# Altium PCB Test.PcbDoc (part 7 of 7)
Units mm, origin at the board's own origin, x right, y up, seen from the top; angles counter-clockwise.
Board outline 127 x 60.96 mm, 8 copper layers (TOP, LY2 - GND, LY3 - SIG, LY4 - GND, LY5 - SIG, LY6 - SIG, LY7 - GND, BOTTOM), stack 1.458 mm thick; 279 components, 237 nets, 1232 pads, 1515 vias.
Unrouted connection lines stored in the file: 100.
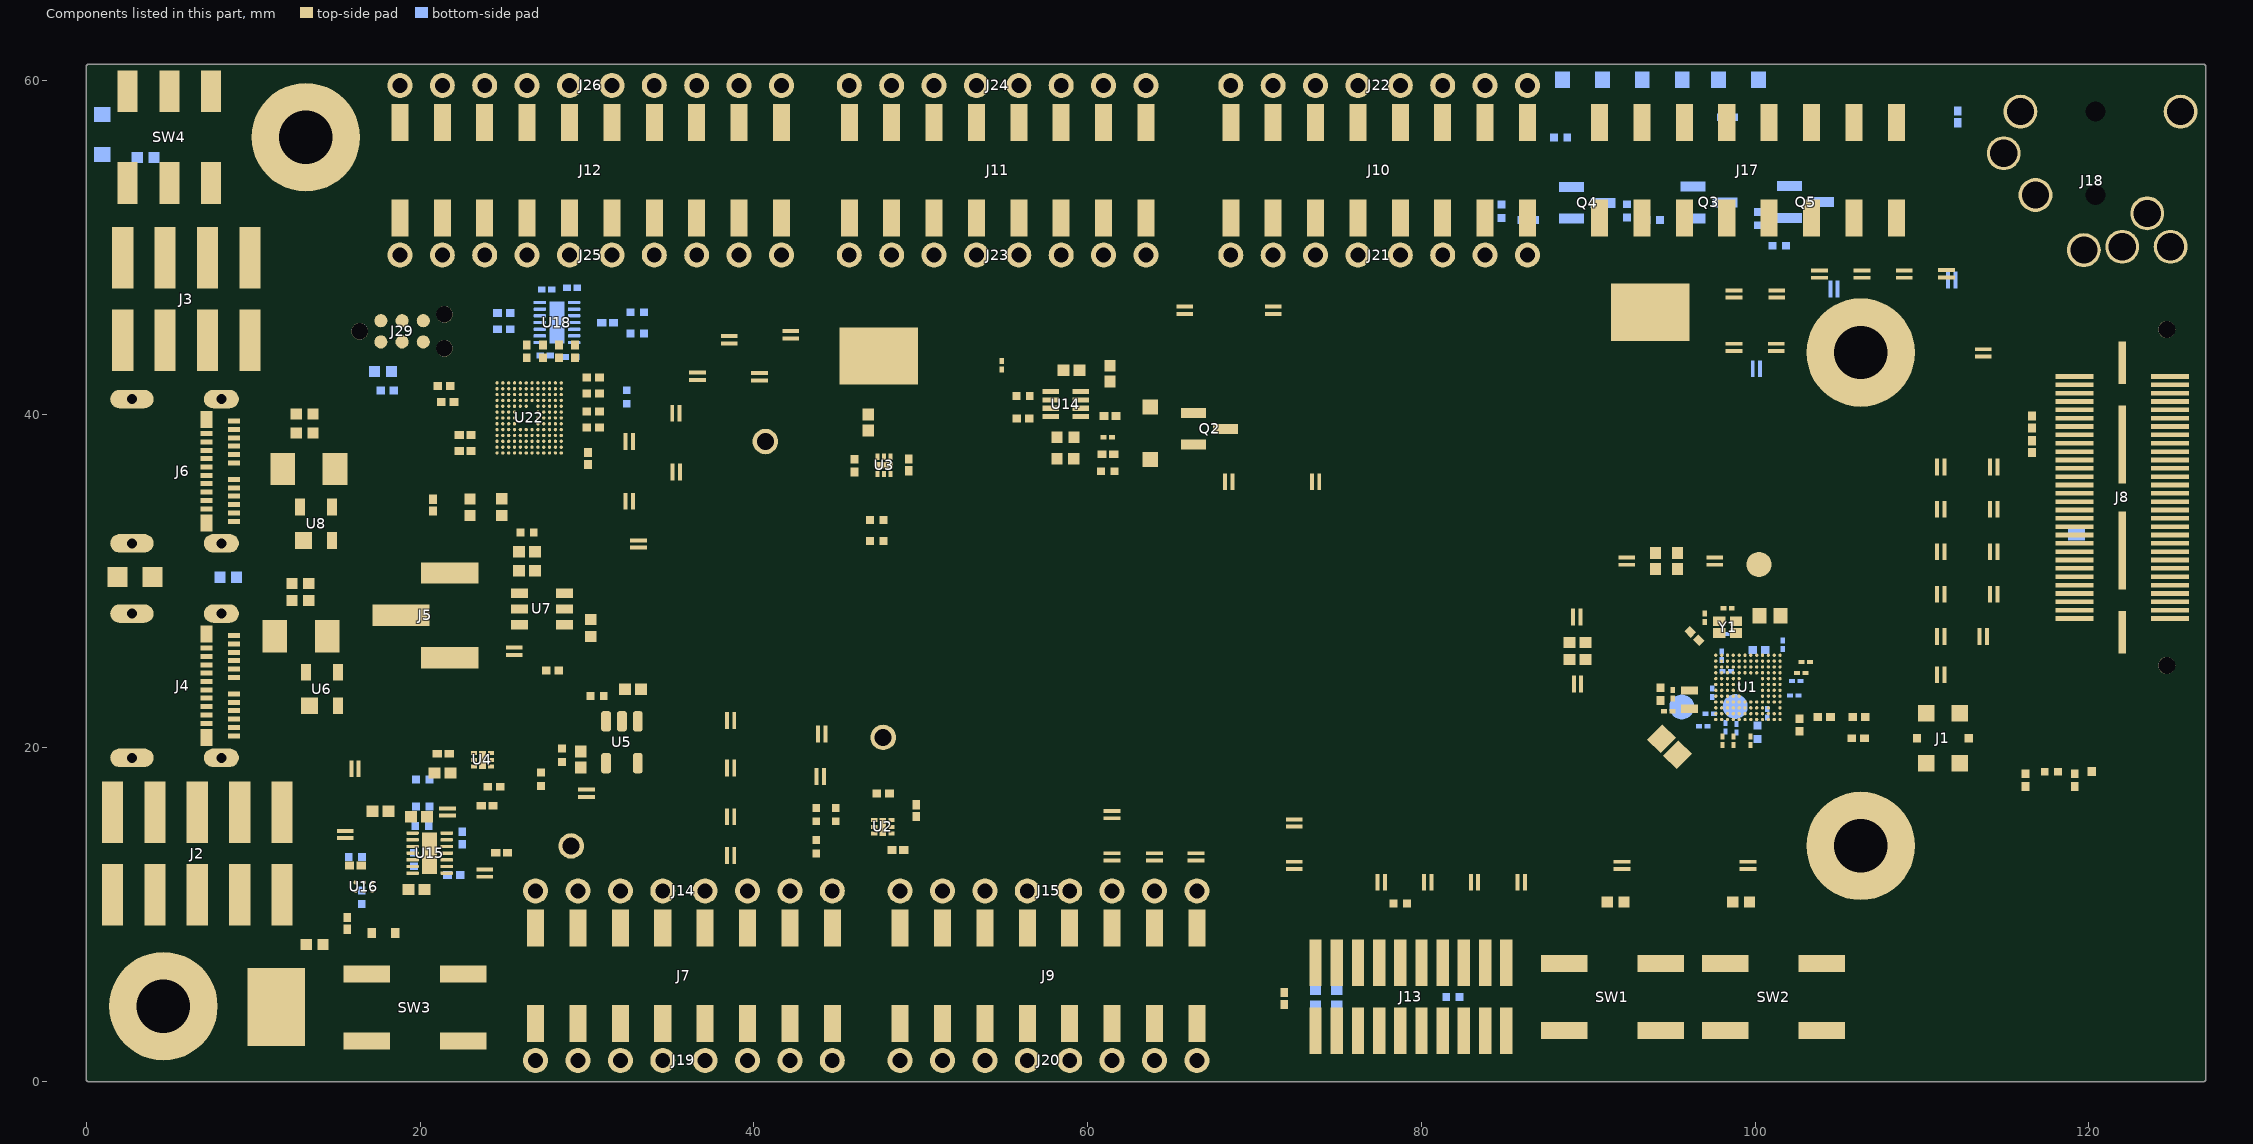
[diagram p13: the components of this part, seen from the top]

## Silkscreen, mask and mechanical layers (free items; w line width, h text height) (continued)
Drill Drawing:
  lines w0.025: -63.957,-153.619 -56.083,-153.619 ; -63.957,-50.47 -56.083,-50.47 ; -63.957,52.654 -56.083,52.654 ; 43.002,-264.617 43.002,-256.743 ; 43.002,155.804 43.002,163.652 ; 125.501,-264.617 125.501,-256.743 ; 125.501,155.804 125.501,163.652 ; 209.982,-264.617 209.982,-256.743 ; 209.982,155.804 209.982,163.652 ; 230.886,-197.358 302.819,-197.358 ; 230.886,-192.608 302.819,-192.608 ; 230.886,-187.833 302.819,-187.833 ; 230.886,-183.083 302.819,-183.083 ; 230.886,-178.308 302.819,-178.308 ; 230.886,-173.558 302.819,-173.558 ; 230.886,-168.783 302.819,-168.783 ; 230.886,-164.033 302.819,-164.033 ; 230.886,-159.258 302.819,-159.258 ; 233.756,-151.638 271.374,-151.638 ; 284.709,-202.133 284.709,-154.508 ; 292.506,-264.617 292.506,-256.743 ; 292.506,155.804 292.506,163.652 ; 304.698,-197.358 376.631,-197.358 ; 304.698,-192.608 376.631,-192.608 ; 304.698,-187.833 376.631,-187.833 ; 304.698,-183.083 376.631,-183.083 ; 304.698,-178.308 376.631,-178.308 ; 304.698,-173.558 376.631,-173.558 ; 304.698,-168.783 376.631,-168.783 ; 304.698,-164.033 376.631,-164.033 ; 304.698,-159.258 376.631,-159.258 ; 358.521,-202.133 358.521,-154.508 ; 376.961,-264.617 376.961,-256.743 ; 376.961,155.296 376.961,163.17 ; 378.536,-197.358 471.399,-197.358 ; 378.536,-192.608 471.399,-192.608 ; 378.536,-187.833 471.399,-187.833 ; 378.536,-183.083 471.399,-183.083 ; 378.536,-178.308 471.399,-178.308 ; 378.536,-173.558 471.399,-173.558 ; 378.536,-168.783 471.399,-168.783 ; 378.536,-164.033 471.399,-164.033 ; 378.536,-159.258 471.399,-159.258 ; 432.359,-202.133 432.359,-154.508 ; 477.749,-153.619 485.597,-153.619 ; 477.749,-50.47 485.597,-50.47 ; 477.749,52.654 485.597,52.654 ; -55.829,-256.489 -55.829,155.804 477.749,155.804 477.749,-256.489 -55.829,-256.489 ; 229.464,-203.556 229.464,-146.888 472.821,-146.888 472.821,-203.556 229.464,-203.556 ; 230.886,-202.133 302.819,-202.133 302.819,-154.508 230.886,-154.508 230.886,-202.133 ; 304.698,-202.133 304.698,-154.508 376.631,-154.508 376.631,-202.133 304.698,-202.133 ; 378.536,-202.133 378.536,-154.508 471.399,-154.508 471.399,-202.133 378.536,-202.133
  lines w0.203: 311.531,-256.743 311.531,-207.645
  lines w0.381: 193.675,-251.841 242.773,-251.841 ; 193.675,-246.939 242.773,-246.939 ; 193.675,-242.011 242.773,-242.011 ; 193.675,-237.109 242.773,-237.109 ; 193.675,-232.207 242.773,-232.207 ; 193.675,-227.279 242.773,-227.279 ; 193.675,-222.377 242.773,-222.377 ; 193.675,-217.449 242.773,-217.449 ; 193.675,-212.547 242.773,-212.547 ; 193.675,-207.645 242.773,-207.645 ; 193.853,-207.645 193.853,-256.743 197.79,-256.743 ; 216.459,-251.841 216.459,-207.645 ; 242.773,-256.743 242.773,-207.645 ; 242.773,-214.503 311.531,-214.503 364.592,-214.503 ; 311.531,-249.885 346.913,-249.885 364.592,-249.885 ; 311.531,-243.002 346.913,-243.002 364.592,-243.002 ; 311.531,-235.153 346.913,-235.153 364.592,-235.153 ; 311.531,-228.27 346.913,-228.27 364.592,-228.27 ; 311.531,-221.386 364.592,-221.386 ; 355.93,145.974 477.749,145.974 ; 355.93,146.05 355.93,150.978 ; 355.93,150.876 477.749,150.876 ; 355.93,155.804 355.93,141.072 477.749,141.072 ; 363.804,141.072 363.804,150.876 ; 364.592,-256.743 364.592,-207.645 ; 364.769,-251.841 477.749,-251.841 ; 364.769,-243.002 477.749,-243.002 ; 364.769,-221.386 477.749,-221.386 ; 372.643,-251.841 372.643,-243.002 ; 384.429,-256.743 384.429,-251.841 ; 442.366,-256.743 442.366,-251.841 ; 442.366,141.072 442.366,150.876 ; 458.089,141.072 458.089,150.876 ; 467.919,-251.841 467.919,-243.002 ; 477.749,-207.645 242.773,-207.645
  lines w0.991: -65.913,-248.895 -65.913,-266.573 -48.235,-266.573 ; -65.913,147.93 -65.913,165.633 -48.235,165.633 ; 469.621,-267.36 487.299,-267.36 487.299,-249.682 ; 469.875,165.633 487.553,165.633 487.553,147.93
  lines w1.041: -55.829,-256.489 -55.829,155.804 477.749,155.804 477.749,-256.489 -55.829,-256.489

## Text inside footprints (layer, text, board x,y; h text height)
J4: Top Assembly "PCB EDGE" at 0.811,24.961 h0.55 r270
J5: Top Assembly "1" at 22.86,31.14 h1.27; Top Assembly "3" at 22.809,24.028 h1.27; Dimensions "2.921" at 20.193,35.649 h0.25 r270; Dimensions "2.540" at 20.193,33.807 h0.25 r270; Dimensions "2.540" at 24.32,33.807 h0.25 r270; Dimensions "5.080" at 25.4,33.109 h0.25 r270; Dimensions "7.620" at 15.684,28.6 h0.25 r270
J6: Top Assembly "PCB EDGE" at 0.811,37.813 h0.55 r270
J19: Top Assembly "1" at 25.4,1.596 h1.02 r180; Top Assembly "8" at 46.863,1.591 h1.02 r180
J25: Top Assembly "1" at 43.283,49.204 h1.02; Top Assembly "10" at 16.423,49.209 h1.02
SB9: Top Assembly "Solderbridge" at 15.227,14.3 h0.2 r90; Top Assembly "No Assembly Req'd" at 16.055,14.186 h0.2 r90
SW1: Top Assembly "3" at 87.21,1.894 h0.64; Top Assembly "4" at 95.341,1.907 h0.64; Top Assembly "2" at 95.393,7.788 h0.64; Top Assembly "1" at 87.223,7.801 h0.64; Top Overlay "4" at 95.121,3.829 h1.02; Top Overlay "2" at 95.14,5.592 h1.02; Top Overlay "3" at 87.37,3.84 h1.02; Top Overlay "1" at 87.37,5.592 h1.02
SW2: Top Assembly "3" at 96.862,1.894 h0.64; Top Assembly "4" at 104.993,1.907 h0.64; Top Assembly "2" at 105.045,7.788 h0.64; Top Assembly "1" at 96.875,7.801 h0.64; Top Overlay "4" at 104.773,3.829 h1.02; Top Overlay "2" at 104.792,5.592 h1.02; Top Overlay "3" at 97.022,3.84 h1.02; Top Overlay "1" at 97.022,5.592 h1.02
U14: Top Assembly "1" at 56.692,41.355 h0.64